# Altium PCB Main.PcbDoc (part 7 of 7)
Units mm, origin at the board's own origin, x right, y up, seen from the top; angles counter-clockwise.
Board outline 176.9 x 83.38 mm, 6 copper layers (Top Layer, Signal 1, GND, VCC, Signal 2, Bottom Layer), stack 0.816 mm thick; 265 components, 263 nets, 1108 pads, 1060 vias.
Unrouted connection lines stored in the file: 116.
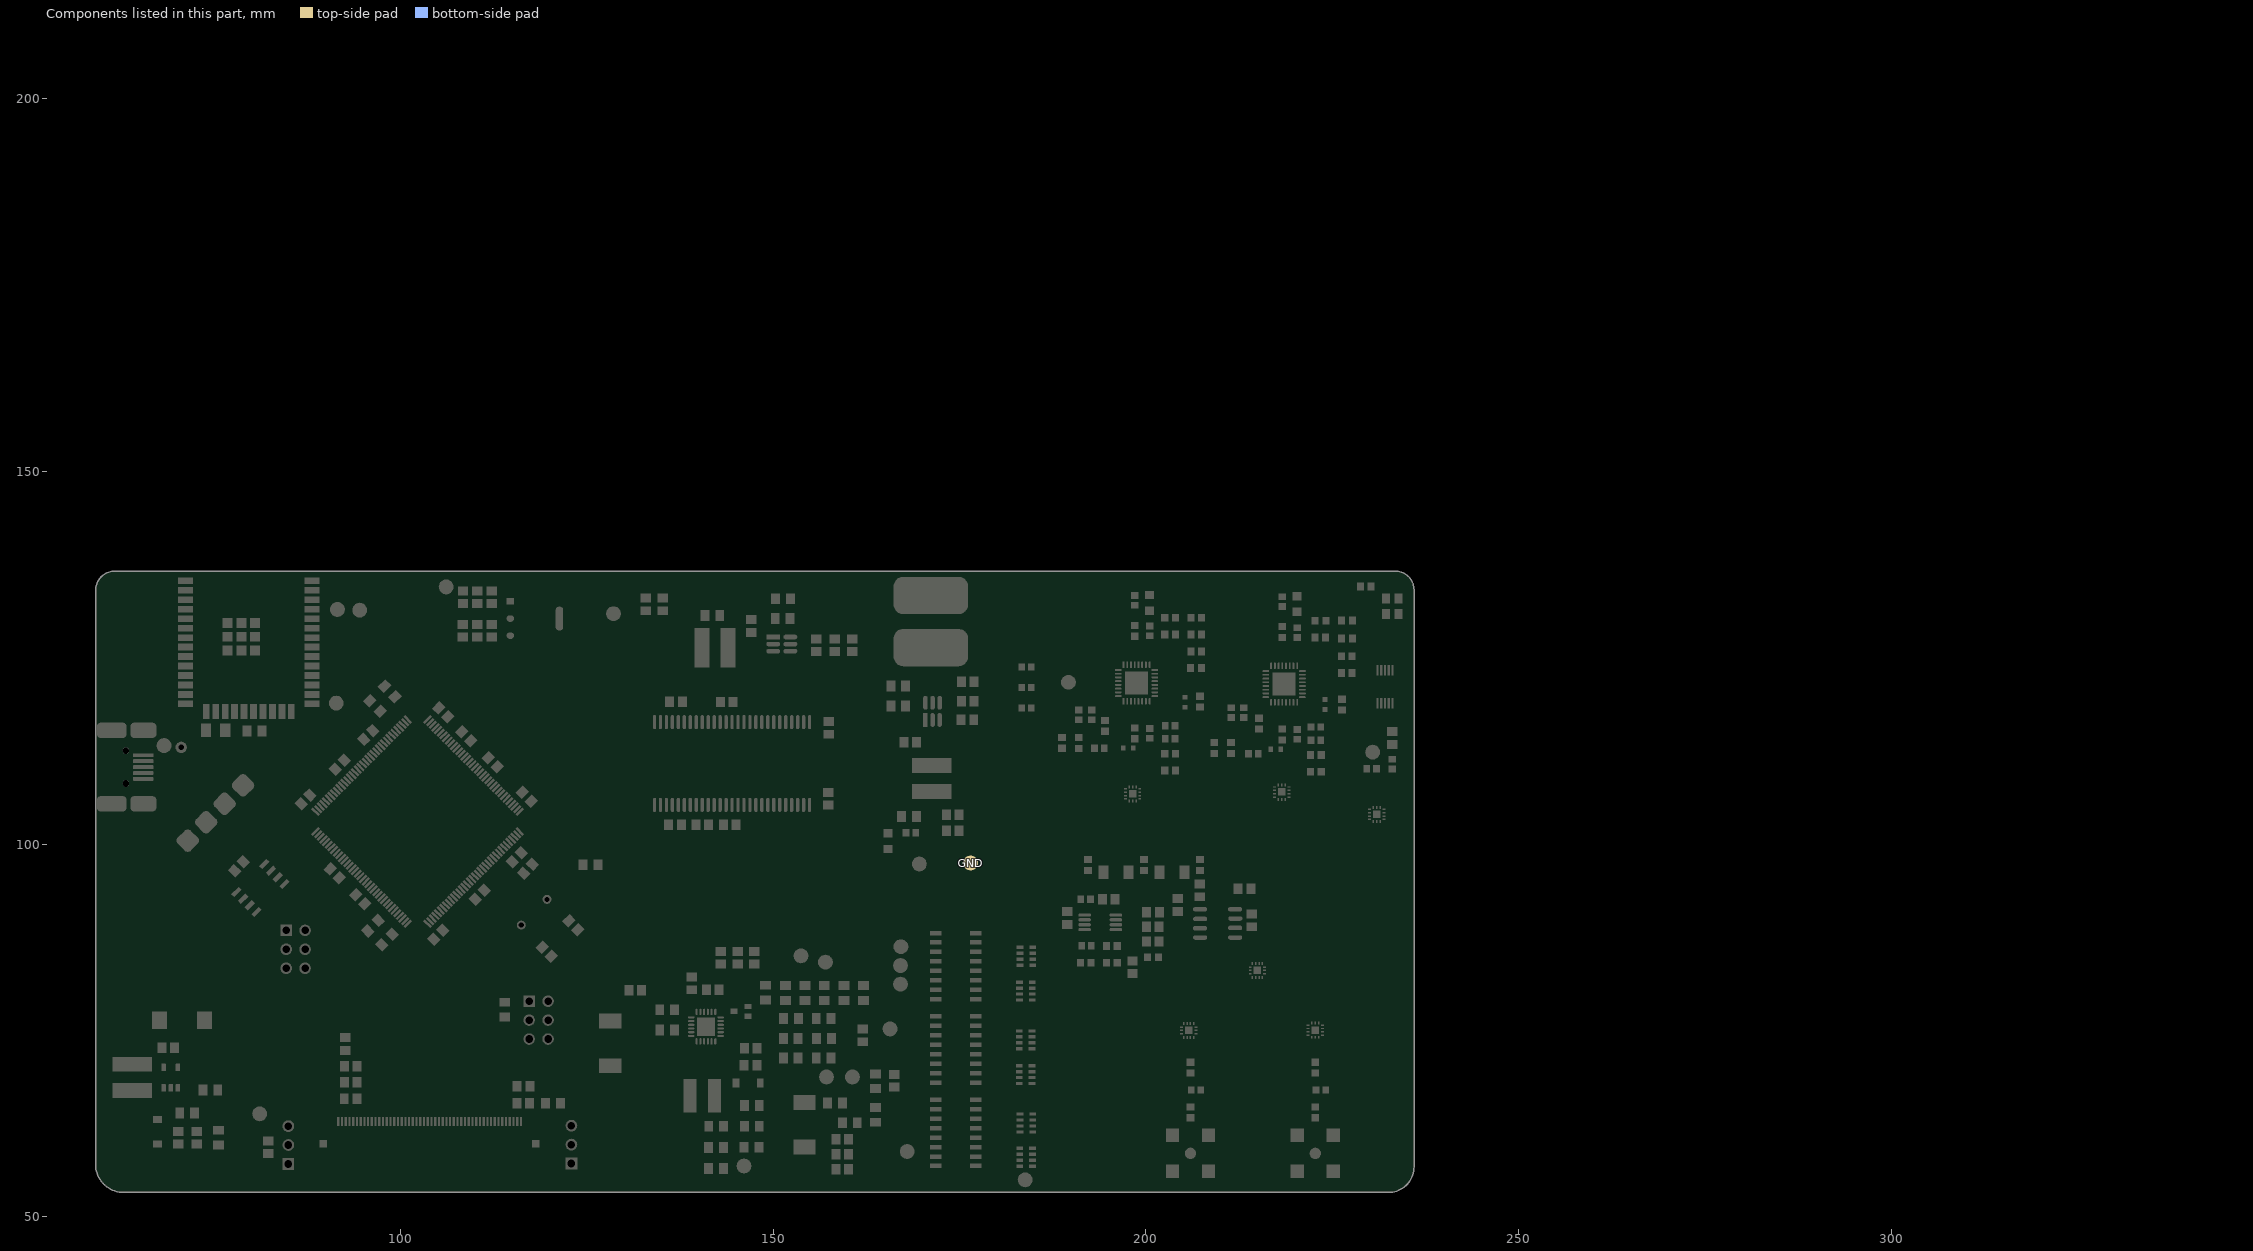
[diagram p11: the components of this part, seen from the top]

## Other copper (continued)
Signal 1:
  pour cut-out: 60.5,133.5 67.5,133.5 67.5,131.75 60.5,131.75
  text "2" at 61.75,132.125 h1.52
Signal 2:
  pour cut-out: 60.5,133.5 67.5,133.5 67.5,131.75 60.5,131.75
  text "5" at 65.925,132.125 h1.52
GND:
  pour cut-out: 60.5,133.5 67.5,133.5 67.5,131.75 60.5,131.75
  text "3" at 62.925,132.15 h1.52
VCC:
  pour cut-out: 60.5,133.5 67.5,133.5 67.5,131.75 60.5,131.75
  text "4" at 64.775,132.125 h1.52
Bottom Layer:
  pour cut-out: 60.5,133.5 67.5,133.5 67.5,131.75 60.5,131.75
  pour cut-out: 60.5,133.5 67.5,133.5 67.5,131.75 60.5,131.75
  text "6" at 67.1,132.15 h1.52

## Silkscreen, mask and mechanical layers (free items; w line width, h text height)
Top Overlay:
  text "GND" at 177.5,132.75 h1.52
  text "+12V" at 177.25,126 h1.52
  text "artiFL" at 191.6,55.85 h4
Bottom Overlay:
  text "REV 1.0" at 68.55,57.7 h1.52